# Altium PCB DE842170047.PcbDoc
Units mm, origin at the board's own origin, x right, y up, seen from the top; angles counter-clockwise.
Board outline 86.5 x 30 mm, 6 copper layers (Top Layer, Layer 1, Layer 2, Layer 3, Layer 4, Bottom Layer), stack 0.816 mm thick; 217 components, 137 nets, 712 pads, 7 vias.
Unrouted connection lines stored in the file: 513.
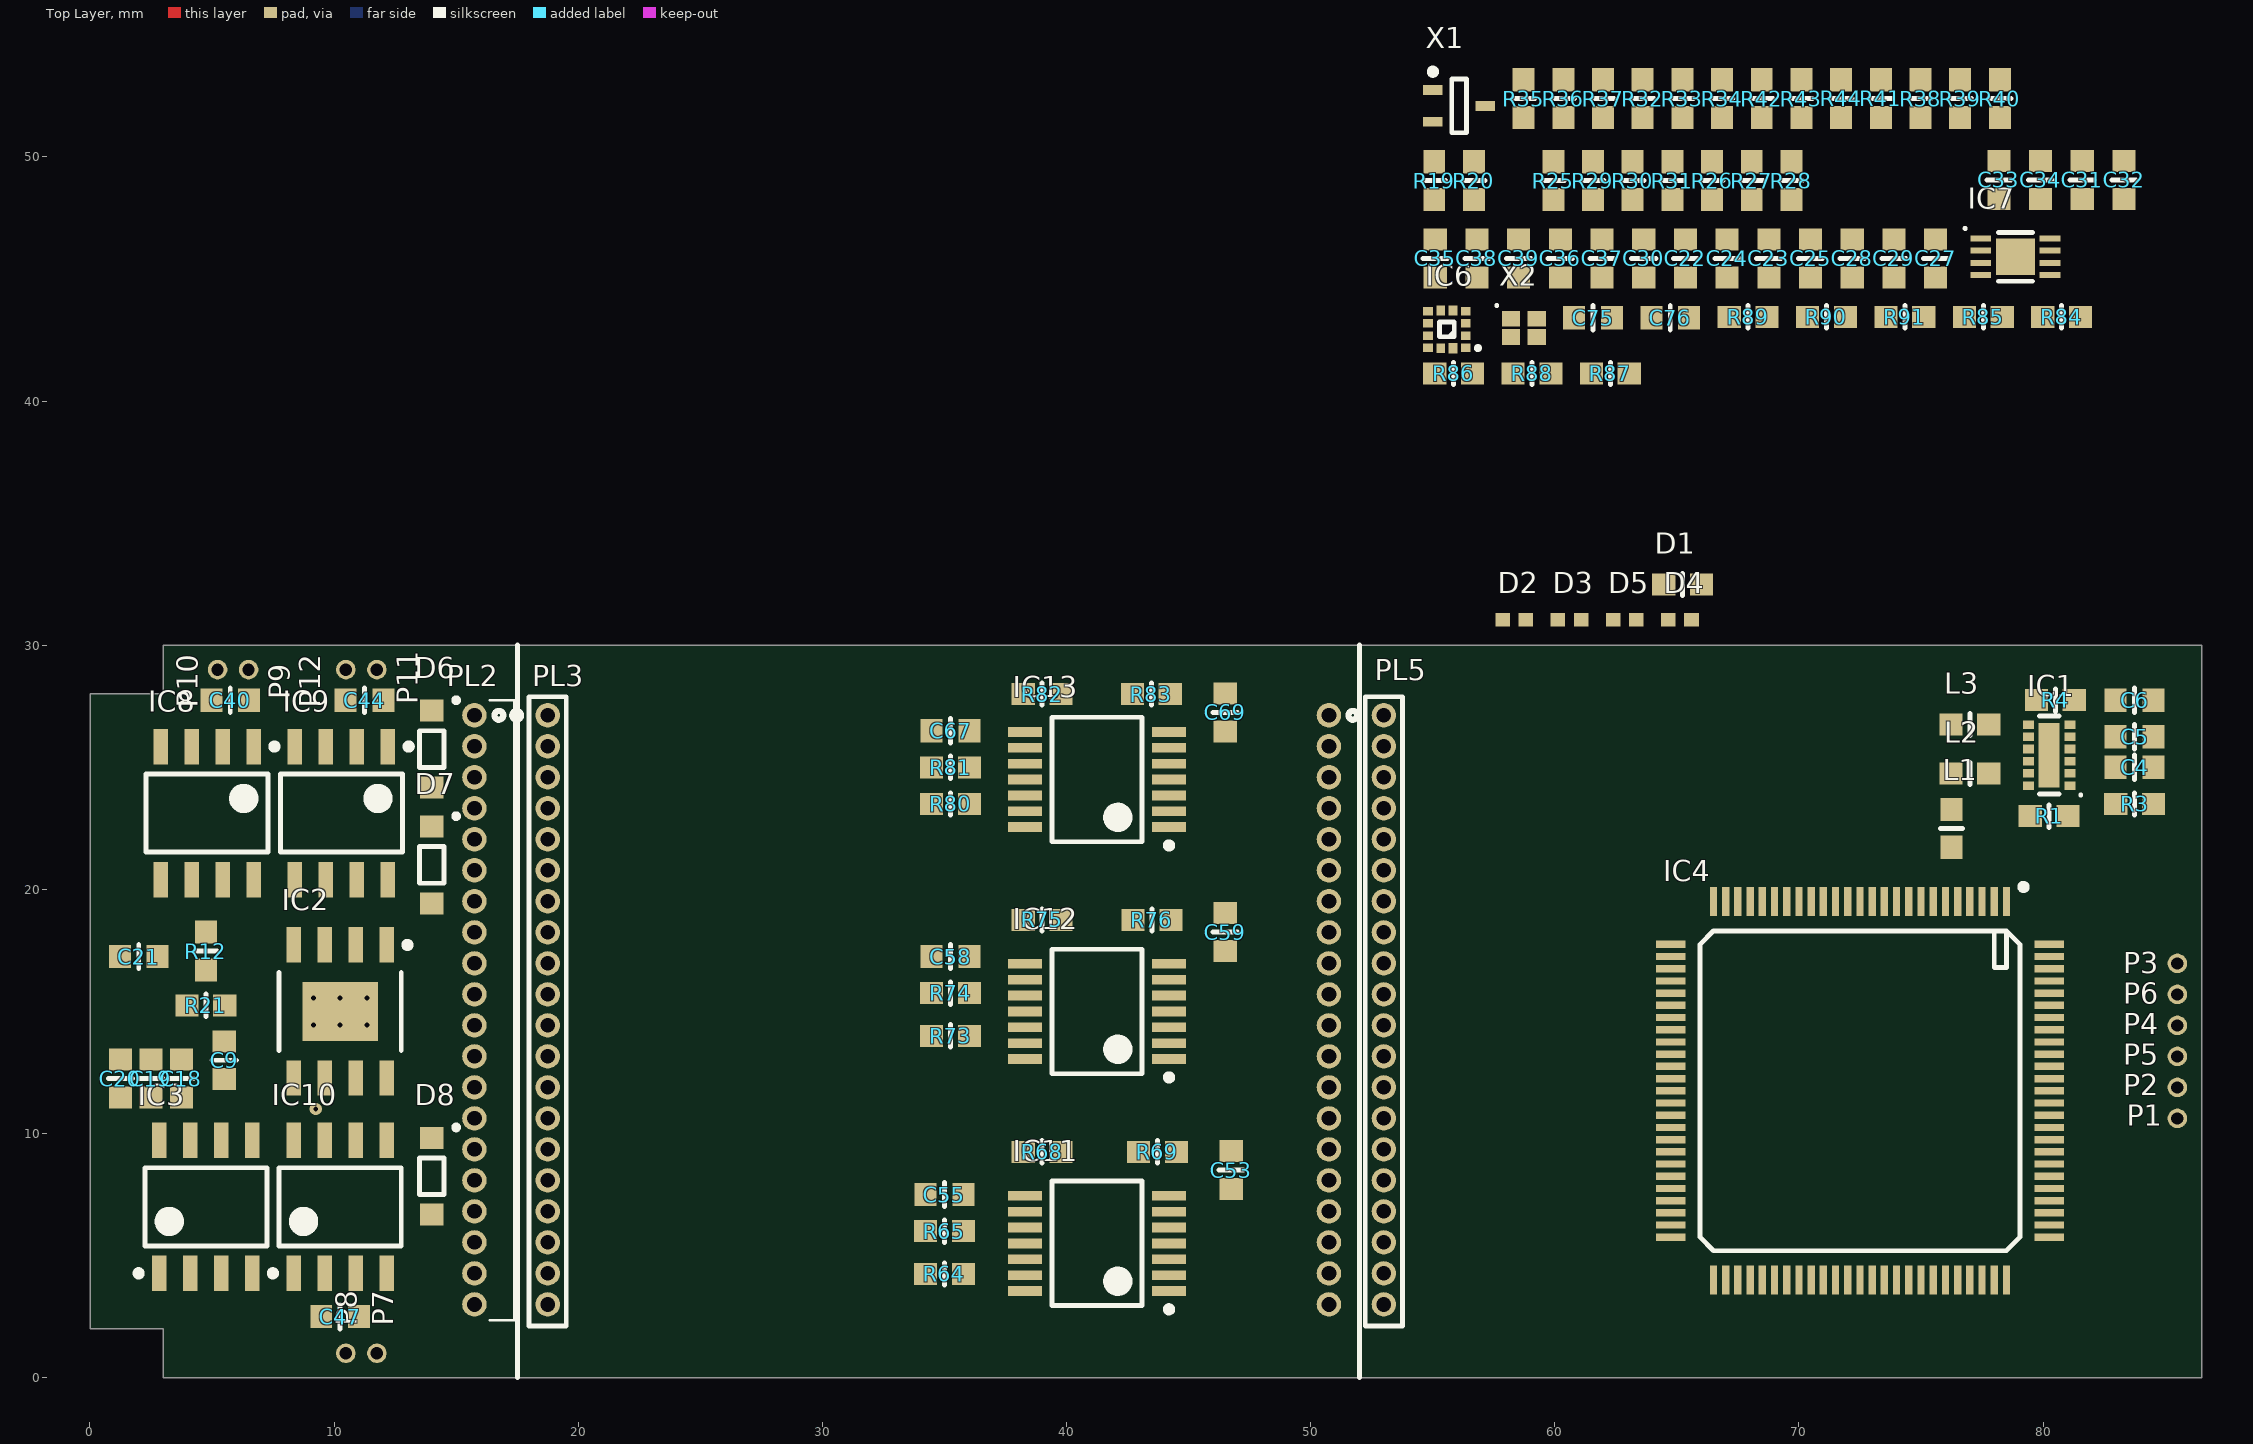
[diagram p0: Top Layer view]
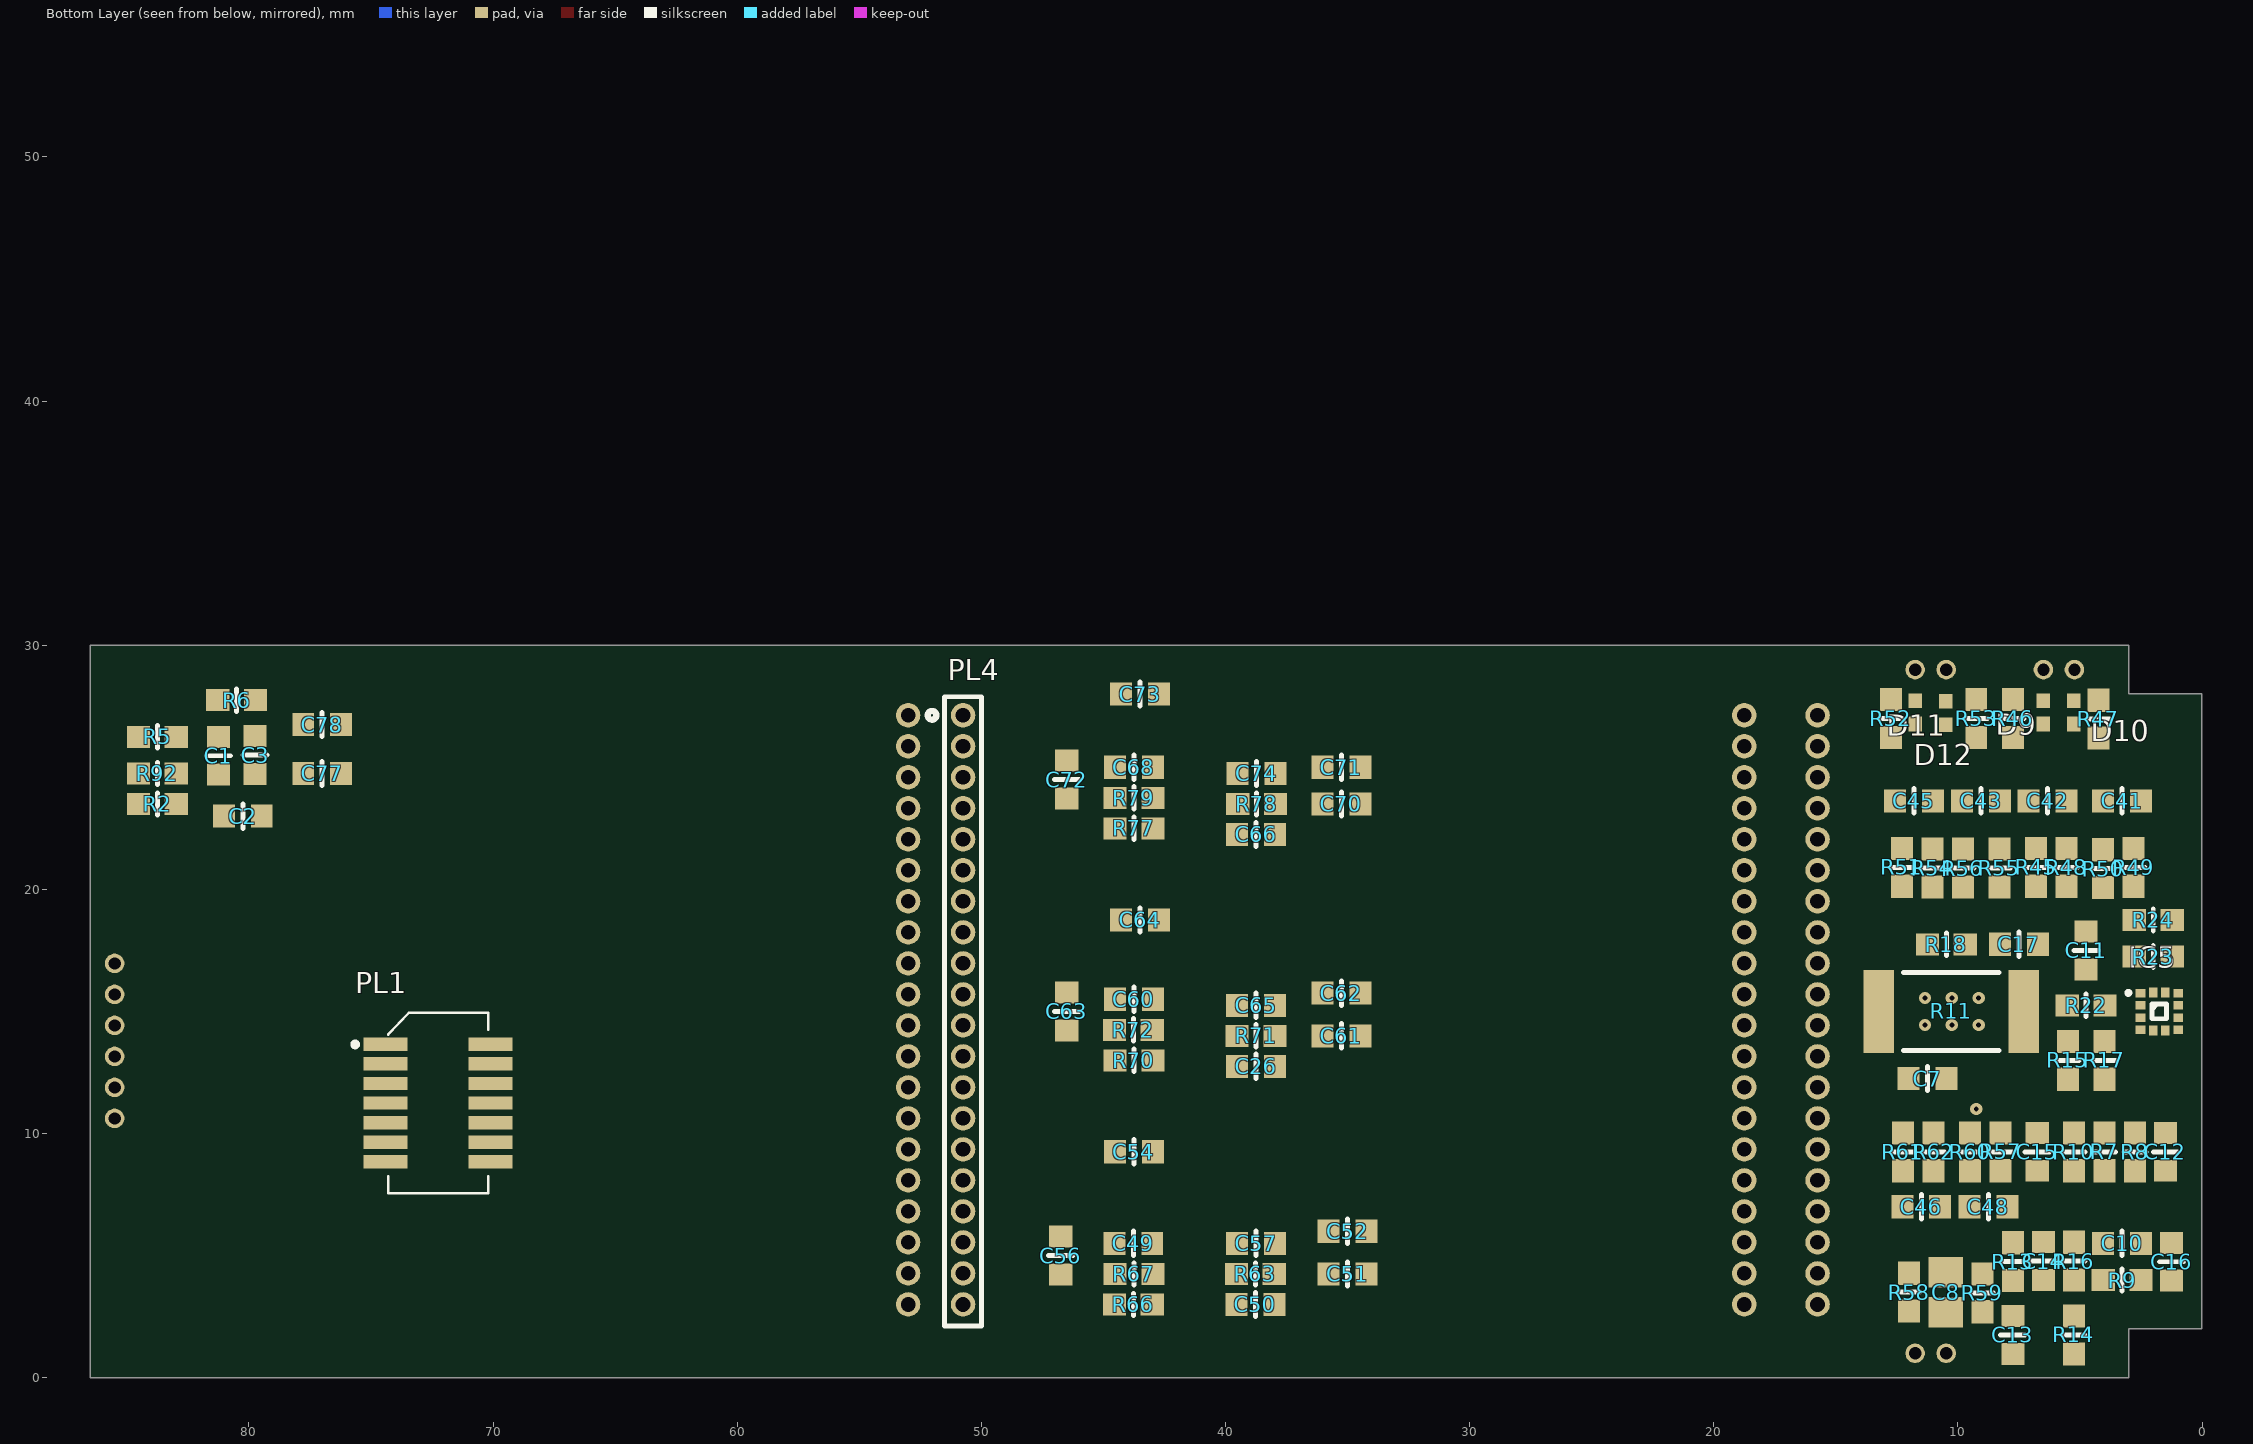
[diagram p1: Bottom Layer view, seen from below]

## Layer stack, top to bottom
Top Solder: solder mask 0.0102, Solder Resist, Dk 3.5
Top Layer: signal copper 0.0356
Dielectric 2: prepreg 0.0711, PP-006, Dk 4.1
Layer 1: signal copper 0.035
Dielectric 3: prepreg 0.0711, PP-006, Dk 4.1
Layer 2: signal copper 0.035
Dielectric 1: dielectric 0.32, FR-4, Dk 4.8
Layer 3: signal copper 0.035
Dielectric 4: prepreg 0.0711, PP-006, Dk 4.1
Layer 4: signal copper 0.035
Dielectric 5: prepreg 0.0711, PP-006, Dk 4.1
Bottom Layer: signal copper 0.0356
Bottom Solder: solder mask 0.0102, Solder Resist, Dk 3.5

## Board outline
0.006,2.006 3.006,2.006 3.006,0.006 86.506,0.006 86.506,30.006 3.006,30.006 3.006,28.006 0.006,28.006

## Design rules (kind name [scope] priority, off if disabled: settings)
Clearance [All] p1: gap=0.254 ignorepadtopadclearanceinfootprint=FALSE except(0: Arc-Hole Track-Hole SMDPad-Hole THPad-Hole Via-Hole Fill-Hole Poly-Hole Region-Hole Text-Hole)
PolygonConnect [All] p1: connectstyle=Relief reliefconductorwidth=0.254 reliefentries=4 polygonreliefangle="90 Angle" airgapwidth=0.254
RoutingVias [All] p1: holewidth=0.711 width=1.27 viastyle="Through Hole" minholewidth=0.711 minwidth=1.27 maxholewidth=0.711 maxwidth=1.27
SolderMaskExpansion SolderMaskThruvia [All] p1: expansion=0 istentingtop=FALSE soldermaskfromhole=TRUE
SolderMaskExpansion [All] p2: expansion=0.102 istentingtop=FALSE
Width [All] p1: maxlimit=0.254 minlimit=0.254 preferedwidth=0.254
30 further rules are at their usual default settings.

## Classes and differential pairs
component class CE842170047_SHEET6: PL1 PL2 PL3 PL4 PL5
component class CE842170047_SHEET5: C26 C49 C50 C51 C52 C53 C54 C55 C56 C57 C58 C59 C60 C61 C62 C63 C64 C65 C66 C67 C68 C69 C70 C71 C72 C73 C74 IC11 IC12 IC13 R63 R64 R65 R66 R67 R68 R69 R70 R71 R72 R73 R74 R75 R76 R77 R78 R79 R80 R81 R82 R83
component class CE842170047_SHEET4: C40 C41 C42 C43 C44 C45 C46 C47 C48 D6 D7 D8 D9 D10 D11 D12 IC8 IC9 IC10 P9 P10 P11 P12 R45 R46 R47 R48 R49 R50 R51 R52 R53 R54 R55 R56 R57 R58 R59 R60 R61 R62
component class CE842170047_SHEET2: C18 C19 C20 C21 C22 C23 C24 C25 C27 C28 C29 C30 C31 C32 C33 C34 C35 C36 C37 C38 C39 C75 C76 IC4 IC5 IC6 IC7 R19 R20 R21 R22 R23 R24 R25 R26 R27 R28 R29 R30 R31 R32 R33 R34 R35 R36 R37 R38 R39 R40 R41 R42 R43 R44 R84 R85 R86 R87 R88 R89 R90 R91 X1 X2
component class CE842170047_SHEET1: C1 C2 C3 C4 C5 C6 C7 C8 C9 C10 C11 C12 C13 C14 C15 C16 C17 C77 C78 D1 D2 D3 D4 D5 IC1 IC2 IC3 L1 L2 L3 P1 P2 P3 P4 P5 P6 P7 P8 R1 R2 R3 R4 R5 R6 R7 R8 R9 R10 R11 R12 R13 R14 R15 R16 R17 R18 R92

## Components (designator, comment, footprint, x,y, rotation, side; value= is the part's Value field where it differs from the comment)
C1 "KK/96159/2666" C0603 81.25,25.475 r270 bottom value=4u7F
C2 "KK/96159/3634" C0603 80.25,23 r0 bottom value=2u2F
C3 "KK/96159/2601" C0603 79.75,25.5 r270 bottom value=1uF
C4 "KK/96159/3701" C0603 83.75,25 r0 top value=10uF
C5 "KK/96159/2601" C0603 83.75,26.25 r0 top value=1uF
C6 "KK/96159/3634" C0603 83.75,27.75 r180 top value=2u2F
C7 "KK/96159/4501" C0603 11.25,12.25 r180 bottom value=100nF
C8 "KK/96160/0734" C0805 10.5,3.5 r270 bottom value=22uF
C9 "KK/96159/0401" C0603 5.5,13 r270 top value=10nF
C10 "KK/96159/3634" C0603 3.275,5.5 r0 bottom value=2u2F
C11 "KK/96159/0401" C0603 4.75,17.5 r90 bottom value=10nF
C12 "KK/96159/4501" C0603 1.5,9.25 r270 bottom value=100nF
C13 "KK/96159/2666" C0603 7.75,1.75 r270 bottom value=4u7F
C14 "KK/96159/0243" C0603 6.5,4.775 r90 bottom value=270pF
C15 "KK/96159/4501" C0603 6.75,9.25 r90 bottom value=100nF
C16 "KK/96159/0325" C0603 1.25,4.75 r270 bottom value=1n8F
C17 "KK/96159/4501" C0603 7.5,17.75 r180 bottom value=100nF
C18 "KK/96159/3701" C0603 3.75,12.25 r270 top value=10uF
C19 "KK/96159/4501" C0603 2.5,12.25 r270 top value=100nF
C20 "KK/96159/4501" C0603 1.25,12.25 r270 top value=100nF
C21 "KK/96159/4501" C0603 2,17.25 r180 top value=100nF
C22 "KK/96159/3701" C0603 65.352,45.846 r90 top value=10uF
C23 "KK/96159/0088" C0603 68.768,45.846 r90 top value=8pF
C24 "KK/96159/0088" C0603 67.06,45.846 r90 top value=8pF
C25 "KK/96159/4501" C0603 70.476,45.846 r90 top value=100nF
C26 "KK/96159/0407" C0603 38.75,12.75 r180 bottom value=11n5F
C27 "KK/96159/4501" C0603 75.6,45.846 r90 top value=100nF
C28 "KK/96159/4501" C0603 72.184,45.846 r90 top value=100nF
C29 "KK/96159/3634" C0603 73.892,45.846 r90 top value=2u2F
C30 "KK/96159/3634" C0603 63.644,45.846 r90 top value=2u2F
C31 "KK/96159/4501" C0603 81.608,49.057 r90 top value=100nF
C32 "KK/96159/4501" C0603 83.316,49.057 r90 top value=100nF
C33 "KK/96159/4501" C0603 78.192,49.057 r90 top value=100nF
C34 "KK/96159/4501" C0603 79.9,49.057 r90 top value=100nF
C35 "KK/96159/4501" C0603 55.104,45.846 r90 top value=100nF
C36 "KK/96159/4501" C0603 60.228,45.846 r90 top value=100nF
C37 "KK/96159/2666" C0603 61.936,45.846 r90 top value=4u7F
C38 "KK/96159/4501" C0603 56.812,45.846 r90 top value=100nF
C39 "KK/96159/4501" C0603 58.52,45.846 r90 top value=100nF
C40 "KK/96159/3434" C0603 5.75,27.75 r180 top value=22nF
C41 "KK/96159/4334" C0603 3.275,23.625 r180 bottom value=2n2F
C42 "KK/96159/4334" C0603 6.325,23.625 r0 bottom value=2n2F
C43 "KK/96159/4334" C0603 9.05,23.625 r180 bottom value=2n2F
C44 "KK/96159/3434" C0603 11.25,27.75 r180 top value=22nF
C45 "KK/96159/4334" C0603 11.8,23.625 r0 bottom value=2n2F
C46 "KK/96159/4334" C0603 11.5,7 r0 bottom value=2n2F
C47 "KK/96159/3434" C0603 10.25,2.5 r0 top value=22nF
C48 "KK/96159/4334" C0603 8.75,7 r180 bottom value=2n2F
C49 "KK/96159/4501" C0603 43.775,5.5 r180 bottom value=100nF
C50 "KK/96159/0407" C0603 38.775,3 r180 bottom value=11n5F
C51 "KK/96159/0401" C0603 35,4.25 r180 bottom value=10nF
C52 "KK/96159/0401" C0603 35,6 r180 bottom value=10nF
C53 "KK/96159/0469" C0603 46.75,8.5 r90 top value=51n1F
C54 "KK/96159/0401" C0603 43.75,9.25 r180 bottom value=10nF
C55 "KK/96159/0425" C0603 35,7.5 r0 top value=17n8F
C56 "KK/96159/0401" C0603 46.75,5 r90 bottom value=10nF
C57 "KK/96159/4501" C0603 38.75,5.5 r0 bottom value=100nF
C58 "KK/96159/0425" C0603 35.25,17.25 r0 top value=17n8F
C59 "KK/96159/0469" C0603 46.5,18.25 r90 top value=51n1F
C60 "KK/96159/4501" C0603 43.75,15.5 r180 bottom value=100nF
C61 "KK/96159/0401" C0603 35.25,14 r180 bottom value=10nF
C62 "KK/96159/0401" C0603 35.25,15.75 r180 bottom value=10nF
C63 "KK/96159/0401" C0603 46.5,15 r90 bottom value=10nF
C64 "KK/96159/0401" C0603 43.5,18.75 r180 bottom value=10nF
C65 "KK/96159/4501" C0603 38.75,15.25 r0 bottom value=100nF
C66 "KK/96159/0407" C0603 38.75,22.25 r180 bottom value=11n5F
C67 "KK/96159/0425" C0603 35.25,26.5 r0 top value=17n8F
C68 "KK/96159/4501" C0603 43.75,25 r180 bottom value=100nF
C69 "KK/96159/0469" C0603 46.5,27.25 r90 top value=51n1F
C70 "KK/96159/0401" C0603 35.25,23.5 r180 bottom value=10nF
C71 "KK/96159/0401" C0603 35.25,25 r180 bottom value=10nF
C72 "KK/96159/0401" C0603 46.5,24.5 r90 bottom value=10nF
C73 "KK/96159/0401" C0603 43.5,28 r180 bottom value=10nF
C74 "KK/96159/4501" C0603 38.725,24.75 r0 bottom value=100nF
C75 "KK/96159/0243" C0603 61.57,43.412 r180 top value=270pF
C76 "KK/96159/0243" C0603 64.731,43.412 r180 top value=270pF
C77 "KK/96159/3634" C0603 77,24.75 r0 bottom value=2u2F
C78 "KK/96159/3634" C0603 77,26.75 r180 bottom value=2u2F
D1 "KK/95070/0035" R0603 65.239,32.488 r0 top value=34.5V
D2 "KK/95070/0036" ESD0402 58.342,31.045 r0 top
D3 "KK/95070/0036" ESD0402 60.603,31.045 r0 top
D4 "KK/95070/0036" ESD0402 65.125,31.045 r0 top
D5 "KK/95070/0036" ESD0402 62.864,31.045 r0 top
D6 "KK/95048/0189" SOD-123 14,25.75 r270 top
D7 "KK/95048/0189" SOD-123 14,21 r270 top
D8 "KK/95048/0189" SOD-123 14,8.25 r270 top
D9 "KK/95070/0036" ESD0402 6.5,27.25 r90 bottom
D10 "KK/95070/0036" ESD0402 5.25,27.25 r90 bottom
D11 "KK/95070/0036" ESD0402 10.5,27.225 r90 bottom
D12 "KK/95070/0036" ESD0402 11.75,27.25 r90 bottom
IC1 "KK/95311/0117" WSON-12 80.25,25.5 r180 top
IC2 "KK/95312/0246" SOIC-8_EP 10.25,15 r270 top value=400mA
IC3 "KK/95312/0244" SOIC-8 4.75,7 r90 top value=1.5MHz
IC4 "KK/95414/0147" LQFP-100 72.5,11.75 r270 top value=1MB/32BIT
IC5 "KK/95312/0195" LGA-12 1.75,15 r180 bottom locked
IC6 "KK/95312/0196" LGA-12 55.581,42.935 r180 top
IC7 "KK/95413/0138" DFN-8 78.865,45.911 r0 top
IC8 "KK/95312/0245" SOIC-8 4.8,23.125 r270 top value=800KHz
IC9 "KK/95312/0245" SOIC-8 10.3,23.125 r270 top value=800KHz
IC10 "KK/95312/0245" SOIC-8 10.25,7 r90 top value=800KHz
IC11 "LM2902" TSSOP-14 41.25,5.5 r180 top value=1.2MHz
IC12 "LM2902" TSSOP-14 41.25,15 r180 top value=1.2MHz
IC13 "LM2902" TSSOP-14 41.25,24.5 r180 top value=1.2MHz
L1 "KK/97900/1033" L0603 76.25,22.5 r270 top value=600R
L2 "KK/97900/1033" L0603 77,24.75 r180 top value=600R
L3 "KK/97900/1033" L0603 77,26.75 r180 top value=600R
P1 "TESTPAD1" P0.8xH0.5 85.5,10.62 r0 top locked
P2 "TESTPAD1" P0.8xH0.5 85.5,11.89 r0 top locked
P3 "TESTPAD1" P0.8xH0.5 85.5,16.97 r0 top locked
P4 "TESTPAD1" P0.8xH0.5 85.5,14.43 r0 top locked
P5 "TESTPAD1" P0.8xH0.5 85.5,13.16 r0 top locked
P6 "TESTPAD1" P0.8xH0.5 85.5,15.7 r0 top locked
P7 "TESTPAD1" P0.8xH0.5 11.75,1 r90 top
P8 "TESTPAD1" P0.8xH0.5 10.48,1 r90 top
P9 "TESTPAD1" P0.8xH0.5 6.5,29 r0 top
P10 "TESTPAD1" P0.8xH0.5 5.23,29 r90 top locked
P11 "TESTPAD1" P0.8xH0.5 11.75,29 r0 top
P12 "TESTPAD1" P0.8xH0.5 10.48,29 r90 top
PL1 "KK/96510/1748" 53307-1471 72.25,11.25 r90 bottom
PL2 "KK/96510/2206" M50-3932042 15.75,27.13 r270 top locked
PL3 "KK/96510/2208" M50-3532042 18.75,27.13 r270 top locked
PL4 "KK/96510/2208" M50-3532042 50.75,27.13 r270 bottom locked
PL5 "KK/96510/2208" M50-3532042 53,27.13 r270 top locked
R1 "KK/96059/0725" R0603 80.25,23 r180 top value=178K
R2 "KK/96059/0601" R0603 83.75,23.5 r0 bottom value=10K
R3 "KK/96059/0701" R0603 83.75,23.5 r0 top value=100K
R4 "KK/96059/1693" R0603 80.5,27.75 r180 top value=91K
R5 "KK/96059/0601" R0603 83.75,26.25 r0 bottom value=10K
R6 "KK/96059/0720" R0603 80.5,27.75 r0 bottom value=158K
R7 "KK/96059/0530" R0603 4,9.25 r270 bottom value=2K0
R8 "KK/96059/0000" R0603 2.75,9.25 r90 bottom value=0R0
R9 "KK/96059/0501" R0603 3.275,4 r0 bottom value=1K0
R10 "KK/96059/0501" R0603 5.25,9.25 r90 bottom value=1K0
R11 "KK/96090/0230" R2512 10.275,15 r180 bottom value=2R
R12 "KK/96059/0501" R0603 4.75,17.475 r270 top value=1K0
R13 "KK/96059/0581" R0603 7.75,4.75 r270 bottom value=6K8
R14 "KK/96059/0681" R0603 5.25,1.75 r90 bottom value=68K
R15 "KK/96059/0501" R0603 5.5,13 r90 bottom value=1K0
R16 "KK/96059/0643" R0603 5.25,4.775 r270 bottom value=27K
R17 "KK/96059/0601" R0603 4,13 r270 bottom value=10K
R18 "KK/96059/0601" R0603 10.475,17.75 r180 bottom value=10K
R19 "KK/96059/0601" R0603 55.063,49.032 r90 top value=10K
R20 "KK/96059/0601" R0603 56.688,49.032 r90 top value=10K
R21 "KK/96059/0601" R0603 4.75,15.25 r0 top value=10K
R22 "KK/96059/0601" R0603 4.75,15.25 r0 bottom value=10K
R23 "KK/96059/1369" R0603 2,17.25 r0 bottom value=51R